# Allegro board RK_EVB1_RK3576_LP4XD200P132SD6_V12_20240530YWQ.brd (continued)
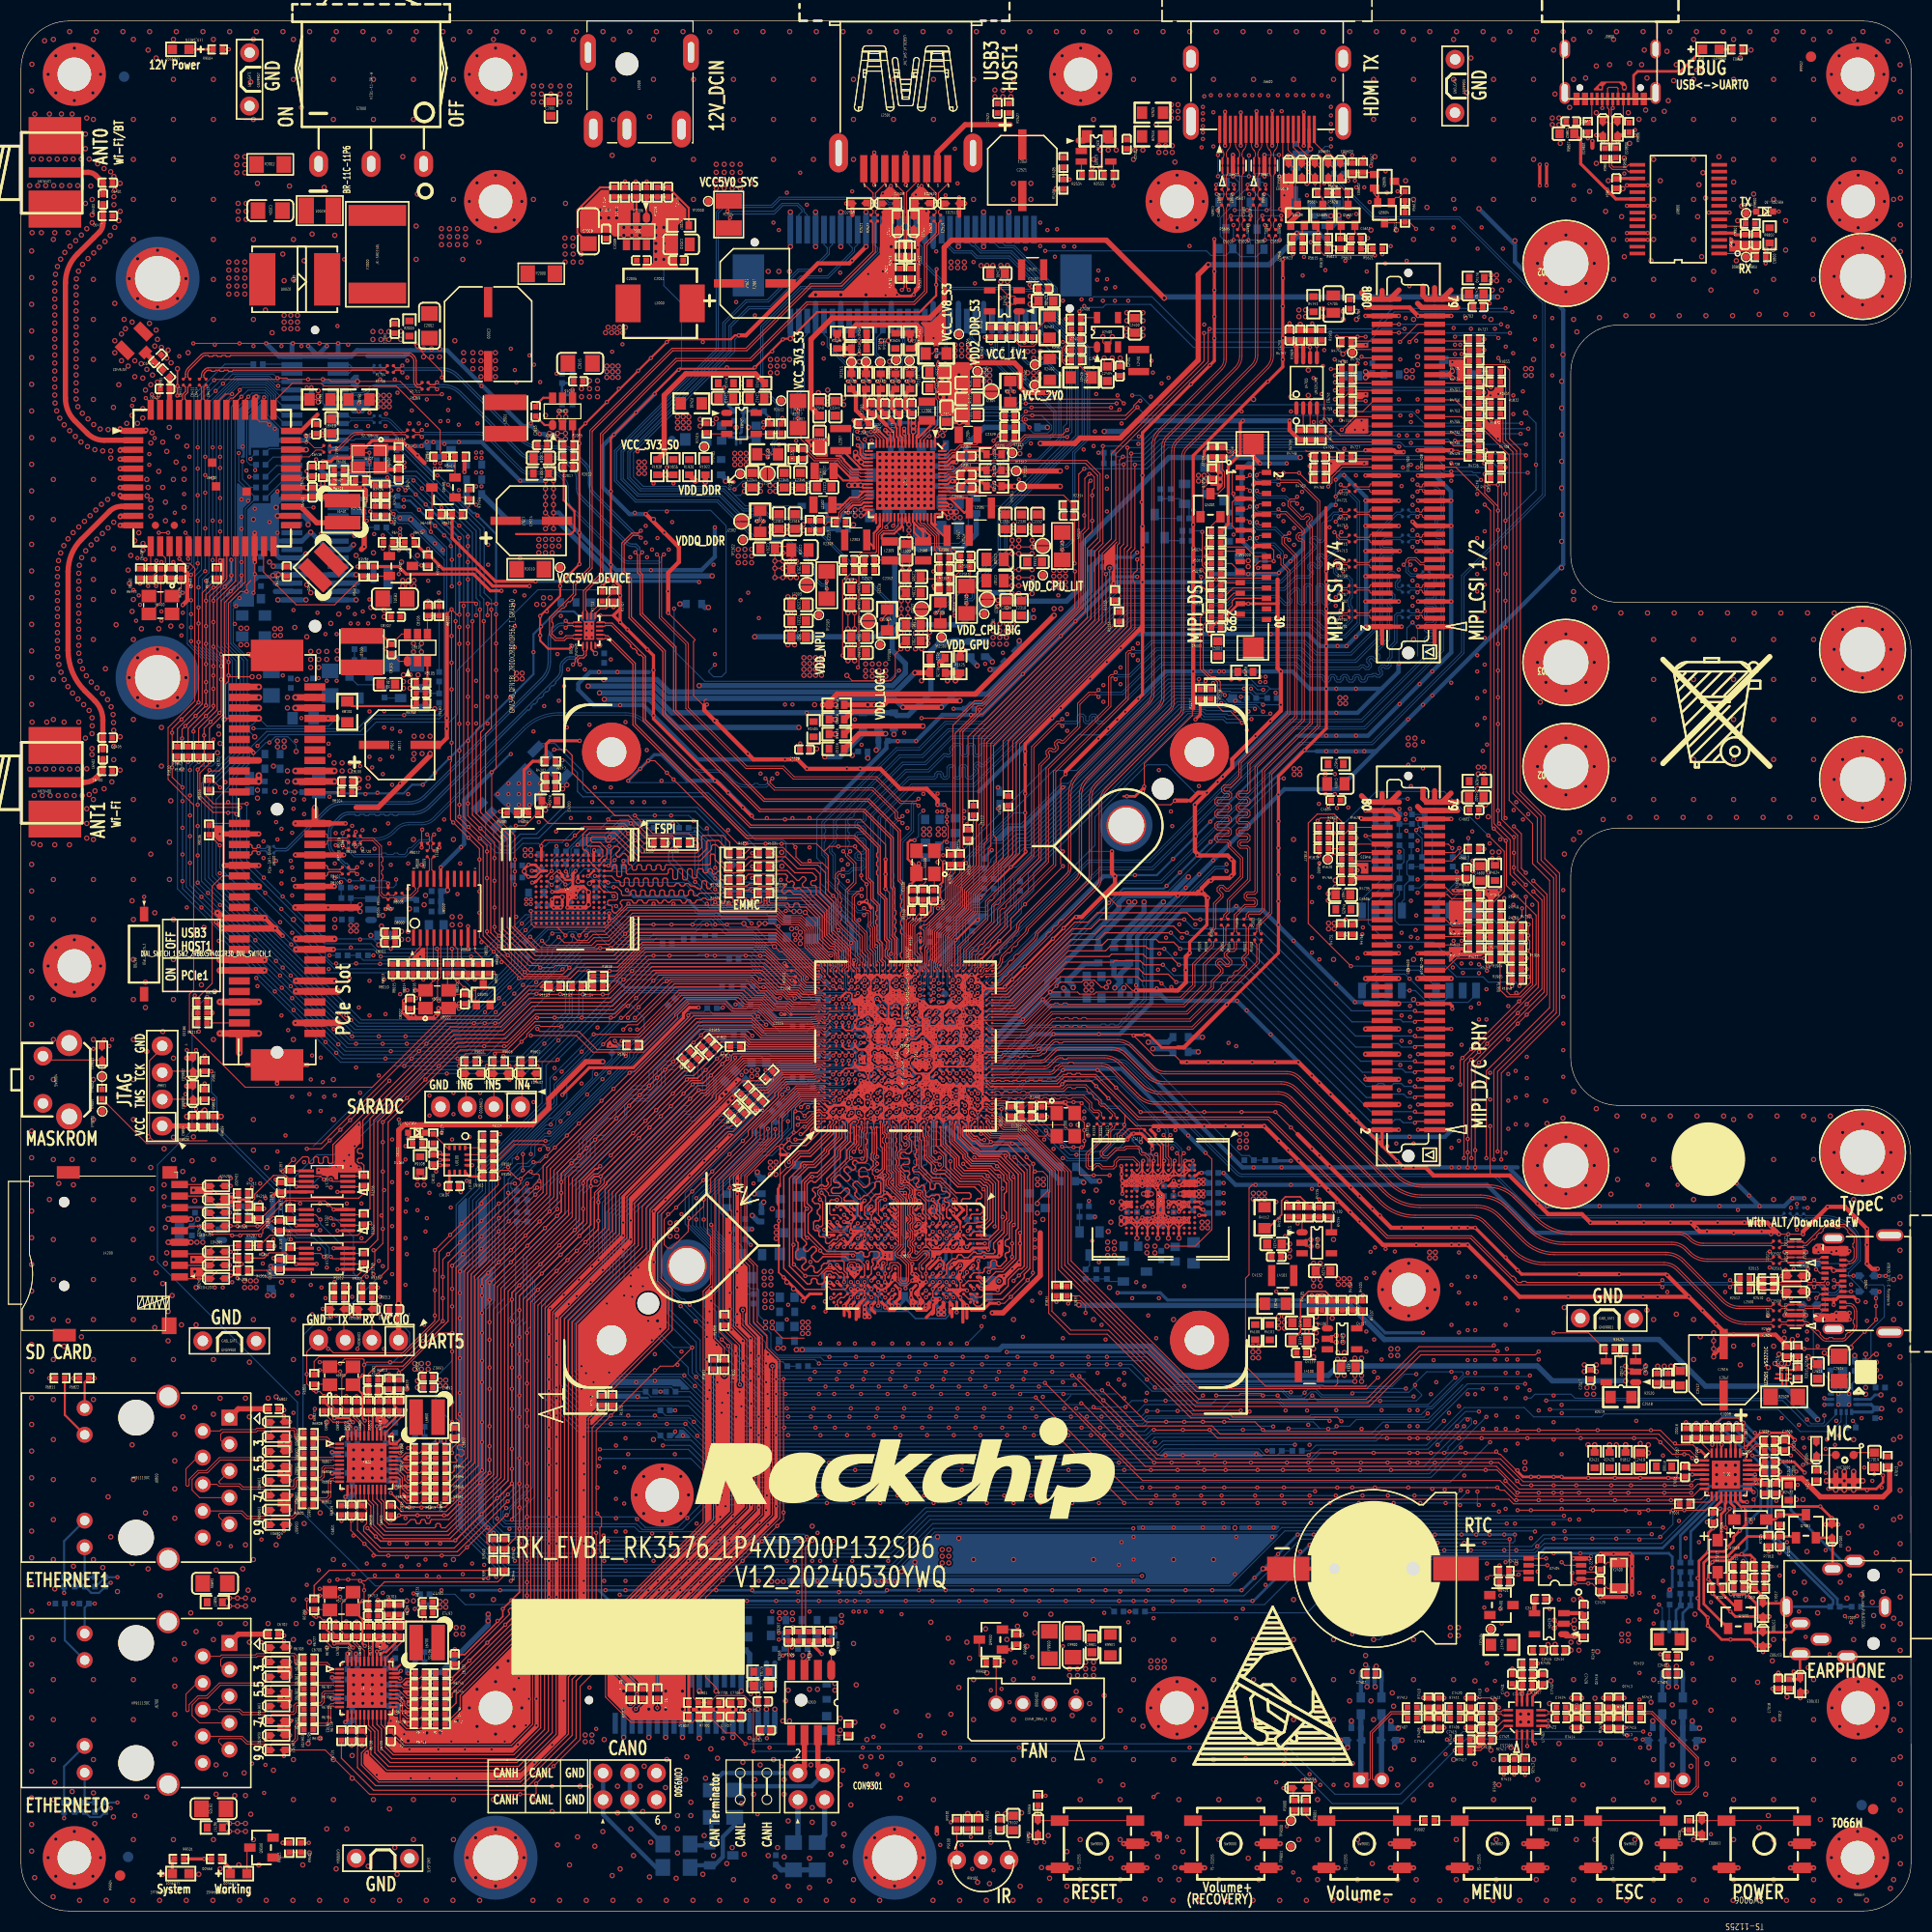
[diagram p0: board, top side]
## Placement (name value [footprint] x y rotation side) (continued)
C1404  100nF  [C0402]  91.73 79.85 270 bottom
C1405  100nF  [C0201]  88.84 82.32 90 bottom
C1406  100nF  [C0201]  89.55 80.68 0 bottom
C1407  NC/1uF  [C0402]  105.16 88.56 0 bottom
C1408  100nF  [C0201]  89.71 82.68 0 bottom
C1409  100nF  [C0201]  91.58 85.19 90 bottom
C1500  100nF  [C0201]  87.72 86.02 0 bottom
C1501  1uF  [C0402]  93.17 106.01 90 bottom
C1502  1uF  [C0201]  88.06 86.64 0 bottom
C1503  1uF  [C0201]  88.23 82.34 270 bottom
C1504  1uF  [C0201]  87.2 83.31 180 bottom
C1505  1uF  [C0402]  99.23 87.33 180 bottom
C1506  1uF  [C0201]  87.88 84.07 0 bottom
C1507  100nF  [C0201]  81.31 85.6 180 bottom
C1508  1uF  [C0402]  74.63 110.61 180 top
C1509  1uF  [C0201]  89.71 83.34 0 bottom
C1510  1uF  [C0201]  81.31 86.22 180 bottom
C1600  1uF  [C0201]  87.85 85.34 180 bottom
C1601  4.7uF  [C0402_BGA]  89.42 86.11 0 bottom
C1602  1uF  [C0201]  87.88 84.68 180 bottom
C1603  4.7uF  [C0402_BGA]  89.25 84.43 0 bottom
C1700  1uF  [C0201]  82.79 85.8 90 bottom
C1701  100nF  [C0201]  83.58 86.85 90 bottom
C1702  4.7uF  [C0402]  80.18 110.43 180 bottom
C1703  1uF  [C0201]  82.95 86.9 90 bottom
C1704  4.7uF  [C0402]  82.11 111.45 0 bottom
C1705  100nF  [C0402]  55.54 119.32 270 bottom
C1706  10uF  [C0603]  54.27 123.92 270 bottom
C1800  100nF  [C0201]  80.6 79.47 0 bottom
C1801  100nF  [C0201]  80.24 85.47 135 bottom
C1802  100nF  [C0201]  88.45 80.14 180 bottom
C1900  NC/100nF  [C0201]  79.4 82.37 180 bottom
C1901  1uF  [C0201]  80.64 82.68 0 bottom
C1902  NC/100nF  [C0201]  79.81 81.76 180 bottom
C1903  1uF  [C0201]  79.42 80.55 180 bottom
C2000  100uF  [E_E7]  44.49 150.18 270 top
C2001  100nF  [C0603]  50.46 171.65 90 top
C2002  10uF  [C1206]  38.9 150.97 270 top
C2003  100nF  [C0402]  35.6 150.72 270 top
C2004  2.2uF  [C1206]  23.74 161.94 180 top
C2005  100nF  [C0402]  59.1 157.2 180 top
C2006  100pF  [C0402]  61.64 163.7 270 top
C2007  120uF  [E_C6]  69.89 155.01 270 top
C2008  10uF  [C1206]  54.03 159.97 90 top
C2009  100nF  [C0402]  55.71 159.71 90 top
C2010  22uF  [C0805]  62.87 158.73 180 top
C2011  100nF  [C0402]  62.62 157.2 180 top
C2012  100nF  [C0402]  58.56 163.7 90 top
C2013  100nF  [C0402]  49.02 142.82 270 top
C2014  120uF  [E_C6]  48.61 132.41 270 top
C2015  10uF  [C1206]  53.25 147.39 0 top
C2016  100nF  [C0402]  53.08 145.68 0 top
C2017  100pF  [C0402]  52.14 137.54 0 top
C2018  22uF  [C0603]  49.52 138.39 0 top
C2019  100nF  [C0402]  49.65 139.61 0 top
C2020  NC/100nF  [C0402]  52.53 143.94 270 bottom
C2300  10uF  [C0603]  84.3 129.49 270 top
C2301  22uF  [C0805]  88.48 131.74 180 bottom
C2302  NC/22uF  [C0603]  84.98 122.5 180 top
C2303  NC/22uF  [C0603]  84.98 120.97 180 top
C2304  NC22uF  [C0603]  84.98 125.55 180 top
C2305  NC/22uF  [C0603]  84.98 127.07 180 top
C2306  NC/1uF  [C0402]  87.93 127.83 0 top
C2307  47uF  [C0805]  92.77 126.69 0 top
C2308  47uF  [C0805]  92.77 128.72 0 top
C2309  NC/22uF  [C0603]  93.86 124.08 90 top
C2310  NC/22uF  [C0603]  95.29 124.08 90 top
C2311  1uF  [C0402]  89.93 129.05 180 top
C2312  10uF  [C0603]  76.49 135.6 180 top
C2313  22uF  [C0805]  81.68 132.91 0 bottom
C2314  NC/10uF  [C0603]  71.11 129.74 0 top
C2315  22uF  [C0603]  72.17 132.33 270 top
C2316  22uF  [C0603]  73.72 132.33 270 top
C2317  100pF  [C0402]  76.09 131.96 270 top
C2318  NC/47uF  [C0805]  74.19 129.61 180 top
C2319  NC/22uF  [C0603]  74.06 127.78 180 top
C2320  NC/22uF  [C0603]  74.06 124.4 180 top
C2321  NC/22uF  [C0603]  74.06 122.88 180 top
C2322  NC/22uF  [C0603]  74.06 121.35 180 top
C2323  NC/1uF  [C0402]  78.86 128.66 0 top
C2324  10uF  [C0603]  88.15 142.51 90 top
C2325  22uF  [C0805]  88.49 134.18 180 bottom
C2326  NC/10uF  [C0603]  90.33 145.53 180 top
C2327  22uF  [C0603]  90.33 142.48 180 top
C2328  22uF  [C0603]  90.33 144.01 180 top
C2329  100pF  [C0402]  94.16 142.38 0 top
C2330  22uF  [C0603]  95.29 132.3 270 top
C2331  22uF  [C0603]  93.76 132.3 270 top
C2332  22uF  [C0603]  96.81 132.3 270 top
C2333  NC/22uF  [C0603]  96.53 128.49 180 top
C2334  1uF  [C0402]  99.79 132.89 0 top
C2335  10uF  [C0603]  85.74 140.15 270 bottom
C2336  22uF  [C0805]  80.15 136.75 0 bottom
C2337  22uF  [C0603]  87.21 146.58 0 top
C2338  22uF  [C0603]  87.21 145.05 0 top
C2339  22uF  [C0603]  76.04 140.12 270 top
C2340  22uF  [C0603]  76.04 143.11 90 top
C2341  22uF  [C0603]  77.57 143.11 90 top
C2342  10uF  [C0603]  80.18 134.92 0 bottom
C2343  22uF  [C0805]  85.58 132.12 90 bottom
C2344  NC/10uF  [C0603]  69.66 136.26 270 top
C2345  22uF  [C0603]  72.68 136.26 270 top
C2346  22uF  [C0603]  74.23 136.26 270 top
C2347  22uF  [C0603]  79.78 125.93 180 top
C2348  22uF  [C0603]  79.78 124.4 180 top
C2349  NC/22uF  [C0603]  79.78 121.35 180 top
C2350  NC/22uF  [C0603]  79.78 119.83 180 top
C2351  1uF  [C0402]  74.46 138.76 90 top
C2352  1uF  [C0402]  80.81 128.66 180 top
C2353  2.2uF  [C0402]  90.04 136.76 0 top
C2354  1uF  [C0402]  87.72 136.66 180 bottom
C2355  2.2uF  [C0402]  87.72 135.71 180 bottom
C2356  2.2uF  [C0402]  90.04 135.57 0 top
C2357  1uF  [C0402]  80.66 139.54 0 bottom
C2358  2.2uF  [C0402]  87.72 137.61 180 bottom
C2359  1uF  [C0402]  87.72 138.56 180 bottom
C2360  2.2uF  [C0402]  90.04 138.56 0 top
C2361  4.7uF  [C0402]  78.31 133.82 180 bottom
C2362  1uF  [C0402]  80.68 138.58 0 bottom
C2363  2.2uF  [C0402]  80.27 141.65 180 top
C2364  1uF  [C0402]  82.84 139.74 270 bottom
C2365  2.2uF  [C0402]  81.01 143.08 90 top
C2366  10nF  [C0402]  83.93 132.84 90 bottom
C2367  2.2uF  [C0402]  82.28 143.08 90 top
C2368  1nF  [C0402]  78.31 132.52 0 bottom
C2369  100nF  [C0402]  87.55 141.75 0 bottom
C2370  2.2uF  [C0402]  83.55 143.08 90 top
C2371  1uF  [C0402]  83.86 139.74 270 bottom
C2372  2.2uF  [C0402]  84.82 143.08 90 top
C2400  10uF  [C0603]  106.09 151 270 top
C2401  4.7uF  [C0603]  93 155.96 0 top
C2402  100pF  [C0402]  94.32 150.35 90 top
C2403  100pF  [C0402]  100.48 149.69 0 top
C2404  22uF  [C0603]  103.47 146.41 90 top
C2405  100nF  [C0402]  104.64 146.66 90 top
C2406  22uF  [C0603]  97.6 153.33 180 top
C2407  100nF  [C0402]  97.35 154.5 180 top
C2408  NC/100nF  [C0402]  100.48 148.69 180 top
C2409  NC/100nF  [C0402]  95.32 150.35 270 top
C2410  10uF  [C0603]  70.02 140.74 90 bottom
C2411  10uF  [C0603]  66.73 140.74 90 bottom
C2412  10uF  [C0603]  70.09 144.09 180 top
C2413  10uF  [C0603]  67.12 144.09 0 top
C2414  1uF  [C0402]  146.55 24.84 180 top
C2415  4.7uF  [C0402]  144.44 24.84 0 top
C2416  NC/100nF  [C0402]  148.82 28.65 90 top
C2417  NC/100nF  [C0402]  144.7 29.7 0 top
C2418  100nF  [C0402]  157.28 24.25 180 top
C2419  10uF  [C0603]  154.23 42.94 90 top
C2420  12pF  [C0402]  150.41 30.96 90 top
C2421  100nF  [C0402]  141.26 31.38 180 top
C2422  NC/12pF  [C0402]  150.41 32.97 270 top
C2423  10uF  [C0603]  40.95 138.44 90 bottom
C2500  100nF  [C0201]  168.2 65.8 0 bottom
C2501  100nF  [C0201]  168.2 66.44 0 bottom
C2502  100nF  [C0402]  177.08 49.86 0 bottom
C2503  10uF  [C0603]  173.49 52.11 90 bottom
C2504  100nF  [C0402]  172.32 51.93 90 bottom
C2505  1uF  [C0402]  176.6 47.39 270 bottom
C2506  220pF  [C0402]  175.62 51.93 90 bottom
C2507  220pF  [C0402]  171.35 51.93 90 bottom
C2508  100nF  [C0201]  167.19 57.8 0 top
C2509  100nF  [C0201]  167.19 57.16 0 top
C2510  100nF  [C0201]  167.19 63.8 0 top
C2511  100nF  [C0201]  167.19 63.16 0 top
C2512  10uF  [C0603]  158.03 50.74 90 top
C2513  100nF  [C0603]  171.11 51.38 90 top
C2514  10uF  [C1206]  173.14 51.63 90 top
C2515  22pF  [C0402]  168.19 53.28 90 top
C2516  120uF  [E_C6]  162.16 51.54 0 top
C2517  1uF  [C0402]  149.46 51.09 90 top
C2518  100nF  [C0402]  155.81 50.74 90 top
C2519  100nF  [C0201]  86.95 161.23 90 top
C2520  100nF  [C0201]  87.58 161.23 90 top
C2521  120uF  [E_C6]  95.37 165.78 180 top
C2522  1uF  [C0402]  105.3 168.27 270 top
C2523  100nF  [C0402]  93 171.69 90 top
C3800  NC/1nF  [C0201]  81.74 58.32 90 bottom
C3801  22uF  [C0603]  91.44 58.44 0 bottom
C3802  10uF  [C0603]  79.19 62.3 0 bottom
C3803  10uF  [C0603]  73.37 64.59 180 bottom
C3804  1uF  [C0402]  90.55 65.86 0 bottom
C3805  1uF  [C0402]  78.05 64.95 0 bottom
C3806  100nF  [C0201]  87.54 65.16 180 bottom
C3807  100nF  [C0201]  78.65 67 270 bottom
C3808  100nF  [C0201]  79.02 61.04 0 bottom
C3809  100nF  [C0201]  77.18 61.87 180 bottom
C3810  100nF  [C0201]  79.99 64.81 90 bottom
C3811  100nF  [C0201]  91 61 0 bottom
C3812  100nF  [C0201]  78.15 60.32 0 bottom
C3813  100nF  [C0201]  91 62.91 0 bottom
C3814  100nF  [C0201]  86.89 58.77 180 bottom
C3815  100nF  [C0201]  81.66 59.5 0 bottom
C3816  100nF  [C0201]  88.36 62.73 180 bottom
C3817  100nF  [C0201]  91 64.79 0 bottom
C3818  100nF  [C0201]  79.59 58.03 0 bottom
C3819  100nF  [C0201]  77.2 62.89 180 bottom
C3820  10uF  [C0603]  72.97 58.45 0 bottom
C3821  22uF  [C0603]  82.24 62.36 0 bottom
C3822  10uF  [C0603]  84.04 59.25 90 bottom
C3823  10uF  [C0603]  92.45 60.78 90 bottom
C3824  1uF  [C0402]  86.79 62.67 180 bottom
C3825  1uF  [C0402]  76.48 60.04 270 bottom
C3826  100nF  [C0201]  87.26 67 90 bottom
C3827  100nF  [C0201]  85.62 57.99 180 bottom
C3828  100nF  [C0201]  82.62 67.05 270 bottom
C3829  100nF  [C0201]  82.83 58.01 0 bottom
C3830  100nF  [C0201]  82.81 65.86 180 bottom
C3831  100nF  [C0201]  76.23 64.61 135 bottom
C3832  100nF  [C0201]  92.27 64.03 270 bottom
C3833  100nF  [C0201]  85.94 64.97 270 bottom
C3834  100nF  [C0201]  81.65 63.63 0 bottom
C3835  100nF  [C0201]  80.38 61.4 180 bottom
C3836  10uF  [C0603]  72.97 55.66 180 bottom
C3837  100nF  [C0201]  87.91 61.32 90 bottom
C3838  100nF  [C0201]  86.91 63.67 180 bottom
C3839  100nF  [C0201]  86.89 57.9 180 bottom
C3840  100nF  [C0201]  81.66 60.29 0 bottom
C3841  100nF  [C0201]  88.12 67.57 0 bottom
C3842  100nF  [C0201]  82.2 64.39 0 bottom
C3843  100nF  [C0201]  81 57.26 0 bottom
C3844  100nF  [C0201]  80.58 66.77 270 bottom
C3845  1nF  [C0402]  68.52 64.94 0 bottom
C4000  100nF  [C0402]  47.29 99.58 180 bottom
C4001  100nF  [C0402]  54.71 97.02 270 bottom
C4002  4.7uF  [C0402]  47.29 98.44 180 bottom
C4003  NC/10pF  [C0402]  51.12 97.86 270 bottom
C4004  100nF  [C0402]  53.42 97.02 270 bottom
C4005  100nF  [C0402]  52.28 96.58 270 bottom
C4006  4.7uF  [C0402]  49.69 95.76 180 bottom
C4007  2.2uF  [C0402]  55.58 100.9 0 bottom
C4100  100nF  [C0402]  109.3 69.03 180 bottom
C4101  100nF  [C0402]  110.66 70.26 90 bottom
C4102  1uF  [C0402]  113.58 69.33 0 bottom
C4103  4.7uF  [C0402]  111.6 70.26 90 bottom
C4104  100nF  [C0402]  113.58 68.38 0 bottom
C4105  100nF  [C0402]  106.19 69.31 90 bottom
C4106  100nF  [C0402]  111.64 67.2 270 bottom
C4107  1uF  [C0402]  107.38 69.31 90 bottom
C4108  4.7uF  [C0402]  109.3 68.09 180 bottom
C4109  NC  [C0201]  107.48 71.78 270 bottom
C4110  1nF  [C0201]  107.3 74.4 0 top
C4111  100nF  [C0402]  107.29 66.11 270 bottom
C4112  100nF  [C0402]  109.77 66.11 270 bottom
C4113  100nF  [C0402]  106.29 66.11 270 bottom
C4114  1uF  [C0402]  105.34 66.11 270 bottom
C4115  10uF  [C0603]  108.55 66.12 270 bottom
C4116  4.7uF  [C0603]  126.41 51.81 180 top
C4117  100pF  [C0402]  126.82 57.68 270 top
C4118  10uF  [C0603]  121.79 54.38 0 top
C4119  100nF  [C0402]  121.94 53.16 0 top
C4120  10uF  [C0603]  121.79 56.03 0 top
C4121  2.2uF  [C0402]  113.58 66.48 0 bottom
C4122  2.2uF  [C0402]  113.58 70.29 0 bottom
C4123  2.2uF  [C0402]  113.58 67.43 0 bottom
C4124  10uF  [C0603]  105.7 63.32 0 bottom
C4125  100nF  [C0402]  103.42 60.65 270 bottom
C4126  10uF  [C0603]  109.92 62.56 90 bottom
C4127  100nF  [C0402]  108.6 62.43 90 bottom
C4128  NC/100nF  [C0402]  101.26 66.11 0 bottom
C4129  4.7uF  [C0603]  124 60.95 180 top
C4130  100pF  [C0402]  123.62 66.57 270 top
C4131  10uF  [C0603]  119.37 63.52 0 top
C4132  100nF  [C0402]  119.56 62.31 0 top
C4200  1uF  [C0402]  21.12 62.23 180 bottom
C4201  1uF  [C0402]  17.26 64.71 90 bottom
C4203  10uF  [C0603]  15.07 64.78 90 bottom
C4204  100nF  [C0402]  16.28 64.78 90 bottom
C4300  100nF  [C0402]  50.46 107.03 180 top
C4301  1uF  [C0402]  50.46 108.02 180 top
C4600  4.7uF  [C0603]  138.96 98.81 90 top
C4601  100nF  [C0402]  137.69 98.85 90 top
C4602  10uF  [C0603]  138.59 106.09 0 top
C4603  100nF  [C0402]  138.39 104.84 0 top
C4604  100nF  [C0402]  125.22 105.78 180 top
C4605  10uF  [C0805]  125.22 107.35 180 top
C4606  100nF  [C0402]  126.23 98.12 180 top
C4607  4.7uF  [C0603]  125.9 96.79 180 top
C4700  4.7uF  [C0603]  135.5 147.02 90 bottom
C4701  100nF  [C0402]  136.95 147.07 90 bottom
C4702  10uF  [C0603]  138.59 154 0 top
C4703  100nF  [C0402]  138.77 152.75 0 top
C4704  100nF  [C0402]  126.56 153.04 270 top
C4705  10uF  [C0805]  124.99 153.04 270 top
C4706  100nF  [C0402]  128.69 146.95 90 bottom
C4707  4.7uF  [C0603]  126.65 146.2 180 bottom
C4708  NC  [C0402]  140.42 138.51 0 top
C4709  NC  [C0402]  123.69 138.48 180 top
C4710  100nF  [C0402]  120.82 150.08 90 top
C5000  100nF  [C0402]  113.81 122.23 180 top
C5001  4.7uF  [C0603]  113.97 120.23 270 top
C5002  10uF  [C0603]  113.41 137.5 0 bottom
C5003  4.7uF  [C0603]  115.23 134.31 0 bottom
C5004  100nF  [C0402]  115.49 133.18 0 bottom
C5005  100nF  [C0402]  118.03 128.61 0 bottom
C5006  4.7uF  [C0603]  116.03 128.21 270 bottom
C5007  100nF  [C0402]  109.49 134.96 270 bottom
C5600  220nF  [C0201]  117.36 162.77 90 top
C5601  220nF  [C0201]  117.99 162.77 90 top
C5602  220nF  [C0201]  115.86 159.85 90 top
C5603  220nF  [C0201]  116.49 159.85 90 top
C5604  220nF  [C0201]  114.36 162.77 90 top
C5605  220nF  [C0201]  114.99 162.77 90 top
C5606  220nF  [C0201]  118.86 159.85 90 top
C5607  220nF  [C0201]  119.49 159.85 90 top
C5608  1uF  [C0402]  125.02 165.92 90 bottom
C5609  1uF  [C0402]  125.99 165.92 90 bottom
C5610  1uF  [C0402]  121.38 167.85 90 bottom
C5611  NC/100pF  [C0402]  127.17 159.32 0 top
C6400  NC  [C0402]  8.25 108.57 180 top
C6401  NC  [C0402]  8.26 164.61 0 top
C6402  10pF  [C0402]  7.8 110.17 90 top
C6403  10pF  [C0402]  7.81 163.03 270 top
C6404  NC  [C0402]  13.04 147.87 45 top
C6405  NC  [C0402]  8.25 111.75 180 top
C6406  NC/10pF  [C0402]  13.83 146.44 315 top
C6407  NC  [C0402]  13.7 144.96 180 top
C6408  12pF  [C0402]  13.32 127.38 90 top
C6409  12pF  [C0402]  15.25 127.38 90 top
C6410  NC  [C0402]  8.26 161.43 0 top
C6411  100nF  [C0201]  15.46 145.61 90 top
C6412  100nF  [C0201]  16.1 145.61 90 top
C6413  100nF  [C0201]  16.98 145.61 90 top
C6414  100nF  [C0201]  17.62 145.61 90 top
C6415  4.7uF  [C0402]  25.31 127.58 270 top
C6416  100pF  [C0201]  29.12 139.57 0 top
C6417  100pF  [C0201]  29.12 138.93 0 top
C6418  100nF  [C0402]  28.11 141.15 270 top
C6419  22uF  [C0603]  29.57 141.41 270 top
C6420  4.7uF  [C0402]  27.76 135.12 90 top
C6421  NC  [C0402]  27.71 137.1 90 top
C6422  100nF  [C0402]  38.77 138.95 90 bottom
C6423  4.7uF  [C0402]  39.79 138.95 90 bottom
C6424  100nF  [C0402]  35.98 136.83 270 top
C6500  100nF  [C0201]  33.91 147.19 180 bottom
C6501  100nF  [C0201]  33.91 146.55 180 bottom
C6502  100nF  [C0402]  22.4 127.83 180 bottom
C6503  4.7uF  [C0402]  22.4 128.98 180 bottom
C6504  4.7uF  [C0603]  34.97 127.07 90 bottom
C6505  100nF  [C0402]  33.57 127.2 90 bottom
C6506  100nF  [C0402]  22.4 126.18 180 bottom
C6507  22uF  [C0603]  22.15 124.98 180 bottom
C6700  NC/18pF  [C0402]  29.99 26.61 90 top
C6701  NC/18pF  [C0402]  31.96 26.61 90 top
C6702  10nF  [C0402]  24.04 26.36 0 top
C6703  NC  [C0402]  33.55 28.13 0 top
C6704  NC/100pF  [C0402]  34.08 26.62 90 top
C6705  1000pF  [C1206]  18.35 9.74 0 top
C6706  4.7uF  [C0402]  37.99 21.74 0 bottom
C6707  1uF  [C0402]  35.47 21.54 180 bottom
C6708  100nF  [C0402]  35.47 20.54 180 bottom
C6709  4.7uF  [C0402]  35.19 25.05 180 bottom
C6710  100nF  [C0402]  31.09 23.47 270 bottom
C6711  100nF  [C0402]  31.54 18.61 90 bottom
C6712  4.7uF  [C0402]  38.78 29.41 180 top
C6713  100nF  [C0402]  38.78 28.39 180 top
C6714  100nF  [C0402]  35.47 19.53 180 bottom
C6715  100nF  [C0402]  32.02 23.47 270 bottom
C6716  100nF  [C0402]  30.65 22.05 0 bottom
C6717  100nF  [C0402]  30.65 20.26 0 bottom
C6718  4.7uF  [C0402]  35.19 23.08 180 bottom
C6719  100nF  [C0402]  35.19 24.08 180 bottom
C6720  NC/3.0pF  [C0402]  35.23 16.69 270 top
C6721  100nF  [C0402]  31.5 16.7 270 top
C6722  NC  [C0402]  41.32 23.97 90 top
C6800  NC/18pF  [C0402]  29.99 48.07 90 top
C6801  NC/18pF  [C0402]  31.96 48.07 90 top
C6802  10nF  [C0402]  24.04 47.82 0 top
C6803  NC  [C0402]  33.55 49.59 0 top
C6804  NC/100pF  [C0402]  34.08 48.08 90 top
C6805  1000pF  [C1206]  18.48 31.2 0 top
C6806  4.7uF  [C0402]  37.99 43.21 0 bottom
C6807  1uF  [C0402]  35.47 43 180 bottom
C6808  100nF  [C0402]  35.47 42 180 bottom
C6809  4.7uF  [C0402]  35.19 44.54 180 bottom
C6810  100nF  [C0402]  31.54 40.08 90 bottom
C6811  100nF  [C0402]  31.09 44.93 270 bottom
C6812  4.7uF  [C0402]  38.78 50.87 180 top
C6813  100nF  [C0402]  38.78 49.86 180 top
C6814  100nF  [C0402]  35.47 40.99 180 bottom
C6815  100nF  [C0402]  30.65 43.51 0 bottom
C6816  100nF  [C0402]  30.65 41.72 0 bottom
C6817  100nF  [C0402]  32.02 44.93 270 bottom
C6818  4.7uF  [C0402]  35.19 46.51 180 bottom
C6819  100nF  [C0402]  35.19 45.54 180 bottom
C6820  NC/3.0pF  [C0402]  35.23 38.15 270 top
C6821  100nF  [C0402]  31.5 38.17 270 top
C6822  NC  [C0402]  41.32 45.56 90 top
C7000  4.7uF  [C0402]  167.09 40.23 270 top
C7001  100nF  [C0402]  166.09 40.23 270 top
C7002  1uF  [C0402]  162.52 45.51 90 top
C7003  100nF  [C0402]  158.47 41.83 270 top
C7004  1uF  [C0402]  163.53 45.51 90 top
C7005  1uF  [C0402]  166.51 44.82 0 top
C7006  1uF  [C0402]  166.51 43.85 0 top
C7007  NC  [C0402]  159.55 45.51 90 top
C7008  NC  [C0402]  161.52 45.51 90 top
C7009  4.7uF  [C0402]  161.15 37.48 270 top
C7010  4.7uF  [C0402]  166.51 41.82 0 top
C7011  4.7uF  [C0402]  166.51 42.78 0 top
C7012  47uF  [E-A]  161.58 33.79 90 top
C7013  47uF  [E-A]  164.7 37.28 180 top
C7014  NC/100pF  [C0402]  172.76 28.98 0 bottom
C7015  1uF  [C0402]  163.57 31.82 0 top
C7016  100nF  [C0402]  167.49 35.22 270 top
C7017  NC/100nF  [C0402]  165.59 31.75 180 top
C7018  100nF  [C0402]  167.37 21.62 90 top
C7019  10uF  [C0603]  176.51 42.96 270 top
C7020  100pF  [C0402]  167.99 44.34 270 top
C7400  10nF  [C0402]  129.33 32.73 270 bottom
C7401  1uF  [C0402]  128.31 29.63 270 bottom
C7402  10uF  [C0402]  128.58 22.62 180 top
C7403  100pF  [C0402]  129.83 29.09 0 bottom
C7404  10nF  [C0402]  130.32 32.73 270 bottom
C7405  680pF  [C0402]  130.02 17.41 0 bottom
C7406  680pF  [C0402]  127.15 17.41 180 bottom
C7407  10nF  [C0402]  158.03 32.73 270 bottom
C7408  1uF  [C0402]  157.01 29.63 270 bottom
C7409  10uF  [C0402]  157.28 22.62 180 top
C7410  100pF  [C0402]  158.53 29.09 0 bottom
C7411  10nF  [C0402]  159.02 32.73 270 bottom
C7412  680pF  [C0402]  158.72 17.41 0 bottom
C7413  680pF  [C0402]  155.85 17.41 180 bottom
C7414  1uF  [C0402]  143.47 21.51 0 top
C7415  2.2nF  [C0402]  138.08 17.91 270 top
C7416  10nF  [C0402]  135.04 17.91 270 top
C7417  1uF  [C0402]  143.47 22.57 0 top
C7418  100nF  [C0402]  142.21 14 270 top
C7419  2.2nF  [C0402]  138.08 19.84 270 top
C7420  10nF  [C0402]  135.04 19.84 270 top
C7421  1uF  [C0402]  139.58 18.36 180 top
C7422  1uF  [C0402]  139.58 19.39 180 top
C7423  1uF  [C0402]  146.67 18.36 0 top
C7424  1uF  [C0402]  146.67 19.39 0 top
C7425  2.2nF  [C0402]  148.16 17.91 270 top
C7426  10nF  [C0402]  151.21 17.91 270 top
C7427  NC  [C0402]  139.58 16.31 180 top
C7428  NC  [C0402]  139.58 17.34 180 top
C7429  2.2nF  [C0402]  148.16 19.84 270 top
C7430  10nF  [C0402]  151.21 19.84 270 top
C7431  1uF  [C0402]  142.02 22.09 90 top
C7432  1uF  [C0402]  144.95 22.09 90 top
C7700  10uF  [C0603]  72.13 26.24 0 bottom
C7701  100nF  [C0402]  72.26 24.97 0 bottom
C7702  NC/10uF  [C0603]  70.51 21.42 180 top
C7703  10uF  [C0603]  68.57 26.11 180 bottom
C7704  100nF  [C0402]  68.57 24.84 180 bottom
C7705  NC/100nF  [C0402]  70.64 19.97 180 top
C7706  NC  [C0402]  68.08 19.85 180 top
C7707  NC  [C0402]  68.08 18.51 180 top
C8000  1uF  [C0402]  35.19 93.2 180 top
C8001  100nF  [C0402]  35.19 92.24 180 top
C8002  18pF  [C0402]  37.07 86.37 90 top
C8003  18pF  [C0402]  42.28 86.85 270 top
C8004  1uF  [C0402]  31.01 94.43 180 bottom
C8005  10uF  [C0603]  34.73 92.91 180 bottom
C8006  10uF  [C0603]  39.55 93.92 0 bottom
C8007  1uF  [C0402]  39.55 96.15 180 bottom
C8008  100nF  [C0402]  39.55 97.13 180 bottom
C8009  NC  [C0402]  37.65 95.83 270 bottom
C8100  100nF  [C0402]  31.1 107.58 0 top
C8101  10uF  [C1206]  35.62 124.98 180 top
C8102  100nF  [C0402]  35.68 123.27 180 top
C8103  100nF  [C0402]  35.28 120.19 90 top
C8104  22pF  [C0402]  38.08 115.99 0 top
C8105  10uF  [C0603]  34.93 116.84 0 top
C8106  100nF  [C0402]  38.77 123.82 90 top
C8107  100nF  [C0201]  23.78 101.4 180 bottom
C8108  100nF  [C0201]  23.78 100.76 180 bottom
C8109  10uF  [C1206]  36.54 118.83 0 bottom
C8110  100nF  [C0402]  32.21 119.13 180 bottom
C8111  120uF  [E_C6]  36.09 111.06 270 top
C8112  10uF  [C1206]  29.44 116.94 90 bottom
C8113  100nF  [C0402]  27.8 116.94 90 bottom
C8114  22uF  [C0805]  28.36 107.26 270 bottom
C8115  100nF  [C0402]  26.78 107.01 270 bottom
C8116  100nF  [C0402]  23.22 107.13 270 bottom
C8117  10uF  [C1206]  23.85 116.94 90 bottom
C8118  100nF  [C0402]  25.69 116.94 90 bottom
C8119  10uF  [C0603]  21.76 107.39 270 bottom
C9100  1nF  [C0402]  90.57 93.8 90 bottom
C9101  100nF  [C0402]  93.23 8.26 90 top
C9102  10uF  [C0603]  94.51 8.38 90 top
C9103  100nF  [C0402]  44.49 69.96 0 top
C9104  100nF  [C0402]  41.25 69.03 0 top
C9105  100nF  [C0402]  39.28 71.58 270 top
C9300  4.7uF  [C0603]  76.73 17.85 270 bottom
C9301  100nF  [C0402]  74.45 24.96 180 bottom
C9302  4.7uF  [C0603]  75.08 26.24 180 bottom
C9303  100nF  [C0402]  70.93 17.22 180 top
C9305  220pF  [C0402]  71.89 4.86 90 bottom
C9307  NC/12pF  [C0402]  73.08 26.16 90 top
C9308  NC/12pF  [C0402]  76.98 26.16 90 top
C9309  100nF  [C0402]  35.51 57.3 180 top
C9800  1uF  [C0402]  165.25 159.19 270 top
C9801  100nF  [C0402]  164.19 159.19 270 top
C9802  10uF  [C0603]  147.23 169.27 180 top
C9803  100nF  [C0402]  147.61 170.43 180 top
C9804  100nF  [C0402]  151.93 164.51 270 top
C9805  100nF  [C0402]  16.38 75.22 90 top
C9900  10uF  [C1206]  100.19 25.34 270 top
C9901  100nF  [C0603]  101.99 25.34 270 top
CON4600  61082-08  [CNN80M_0R80_61082]  132.13 90 270 top
CON4700  61082-08  [CNN80M_0R80_61082]  132.13 137.92 270 top
CON5000  MIPI/LVDS_Panel_CON0  [CNN30_1R00_FP05SL_V]  117.37 130 270 top
CON6500  61082-061402LF  [CNN60M_0R80_61082]  28.01 136.07 270 bottom
CON7700  61082-041402LF_Audio  [CNN40_0R80_61082_AUDIO]  64.2 20.08 180 bottom
CON9300  -  [CNN6M_2R54_H_DIP]  58.04 11.94 0 top
CON9301  -  [CNN4M_2R54_H_DIP]  75.33 11.94 0 top
CON9304  -  [CN4M_2R54_V_DIP]  35.96 54.38 180 top
CON9600  NC/CN4M_2R54_V_DIP  [CN4M_2R54_V_DIP]  47.58 76.59 180 top
CON9700  PowerMeterage  [CNN60_0R80_B406]  84.88 155.77 0 bottom
CON9900  CN4M_2R54_V  [CN4M_2R54_V_P_DIP]  96.68 19.76 180 top
D2000  SS32  [DO_214AB]  26.07 155.39 0 top
D2300  PSUR1610DNV07  [ESD0603]  87.47 139.59 180 bottom
D2301  B5819WS  [SOD_323]  75.56 133.82 0 bottom
D2400  BAT54C  [SOT_23]  140.99 29.14 270 top
D5600  B5819W  [SOD_123]  121.38 164.44 90 bottom
D5601  B5819WS  [SOD_323]  124.12 162.63 0 bottom
D9100  RB520S-30  [SOD_523]  37.67 74.12 90 top
D9800  RB520S-30  [SOD_523]  166.06 161.85 90 top
ED2500  ESD5341N  [ESD0402]  170.32 61.68 180 bottom
ED2501  ESD5341N  [ESD0402]  170.32 57.77 180 bottom
ED2502  ESD5341N  [ESD0402]  175.79 60.48 0 bottom
ED2503  ESD5341N  [ESD0402]  175.79 58.98 0 bottom
ED2504  ESD5341N  [ESD0402]  168.92 58.98 180 top
ED2505  ESD73034D  [SON10_2R50X1R00X0R50]  169 56.75 90 top
ED2506  ESD5341N  [ESD0402]  168.92 60.48 180 top
ED2507  ESD73034D  [SON10_2R50X1R00X0R50]  169 62.75 90 top
ED2508  ESD5311X  [ESD0402]  82.72 162.63 0 top
ED2509  ESD5311X  [ESD0402]  79.8 162.63 180 top
ED2510  ESD5311X  [ESD0402]  85.8 162.63 180 top
ED2511  ESD5311X  [ESD0402]  88.72 162.63 0 top
ED2512  ESD5341N  [ESD0402]  83.48 160.81 90 top
ED2513  ESD5341N  [ESD0402]  85.02 160.81 90 top
ED2514  ESD56161D24  [DFN3_2R00X2R00X0R65]  175.68 51.33 0 top
ED4201  ESD5471X  [ESD0402]  18.69 69.05 0 top
ED4202  NC/ESD5341N  [ESD0402]  18.69 67.78 0 top
ED4203  NC/ESD5341N  [ESD0402]  18.69 66.51 0 top
ED4204  NC/ESD5341N  [ESD0402]  18.69 65.24 0 top
ED4205  NC/ESD5341N  [ESD0402]  18.69 62.78 0 top
ED4206  NC/ESD5341N  [ESD0402]  18.69 61.51 0 top
ED4207  NC/ESD5341N  [ESD0402]  18.69 60.24 0 top
ED5600  ESD73034D  [SON10_2R50X1R00X0R50]  115.42 166.23 0 top
ED5601  ESD73034D  [SON10_2R50X1R00X0R50]  118.42 166.23 0 top
ED5602  ESD5341N  [ESD0402]  125.66 165.77 270 top
ED5603  ESD5341N  [ESD0402]  124.51 165.76 270 top
ED5604  ESD5341N  [ESD0402]  123.24 165.77 270 top
ED5605  ESD5341N  [ESD0402]  120.74 165.77 270 top
ED5606  ESD5341N  [ESD0402]  121.98 165.77 270 top
ED6700  NC/ESD5341N  [ESD0402]  24.42 20.92 0 top
ED6701  NC/ESD5341N  [ESD0402]  24.42 19.53 0 top
ED6702  NC/ESD5341N  [ESD0402]  24.42 18.13 0 top
ED6703  NC/ESD5341N  [ESD0402]  24.42 16.73 0 top
ED6704  NC/ESD5341N  [ESD0402]  24.42 25.12 0 top
ED6705  NC/ESD5341N  [ESD0402]  24.42 23.72 0 top
ED6706  NC/ESD5341N  [ESD0402]  24.42 22.32 0 top
ED6707  NC/ESD5341N  [ESD0402]  24.42 15.34 0 top
ED6800  NC/ESD5341N  [ESD0402]  24.42 46.58 0 top
ED6801  NC/ESD5341N  [ESD0402]  24.42 45.18 0 top
ED6802  NC/ESD5341N  [ESD0402]  24.42 43.78 0 top
ED6803  NC/ESD5341N  [ESD0402]  24.42 42.39 0 top
ED6804  NC/ESD5341N  [ESD0402]  24.42 40.99 0 top
ED6805  NC/ESD5341N  [ESD0402]  24.42 36.8 0 top
ED6806  NC/ESD5341N  [ESD0402]  24.42 39.59 0 top
ED6807  NC/ESD5341N  [ESD0402]  24.42 38.2 0 top
ED7000  ESD5451N  [ESD0402]  165.9 28.66 270 top
ED7001  ESD5451N  [ESD0402]  172.46 36.19 90 top
ED7002  ESD5451N  [ESD0402]  165.9 25.9 270 top
ED7003  ESD5451N  [ESD0402]  169.46 21.5 270 top
ED7004  ESD5451N  [ESD0402]  170.98 44.01 90 top
ED7400  ESD5451N  [ESD0402]  130.2 16.26 0 bottom
ED7401  ESD5451N  [ESD0402]  126.97 16.26 180 bottom
ED7402  ESD5451N  [ESD0402]  158.9 16.26 0 bottom
ED7403  ESD5451N  [ESD0402]  155.67 16.26 180 bottom
ED9000  ESD5451N  [ESD0402]  121.79 11.72 0 top
ED9001  ESD5451N  [ESD0402]  7.71 81.68 90 top
ED9002  ESD5451N  [ESD0402]  96.85 7.97 270 top
ED9003  ESD5451N  [ESD0402]  160.09 7.97 270 top
ED9300  PSM712  [SOT_23]  66.69 5.3 90 bottom
ED9302  ESD5451N  [ESD0402]  30.12 57.3 180 top
ED9303  ESD5451N  [ESD0402]  32.78 57.3 180 top
ED9600  ESD5471X  [ESD0402]  43 79.76 0 top
ED9601  ESD5341N  [ESD0402]  45.67 79.76 0 top
ED9602  ESD5341N  [ESD0402]  48.34 79.76 0 top
ED9800  ESD5341N  [ESD0402]  152.06 169.74 270 top
ED9801  ESD5341N  [ESD0402]  150.66 169.74 270 top
ED9802  ESD5451N  [ESD0402]  16.38 80.61 90 top
ED9803  ESD5451N  [ESD0402]  16.38 77.95 90 top
F2000  JK-SMD150L  [F8050]  33.94 157.78 270 top
F9900  JK-nSMD035  [R1206]  97.94 25.33 270 top
FB7400  120R-100M  [L0603]  127.6 19.54 270 bottom
FB7401  120R-100M  [L0603]  129.57 19.54 270 bottom
FB7402  120R-100M  [L0603]  156.3 19.54 270 bottom
FB7403  120R-100M  [L0603]  158.27 19.54 270 bottom
GND9900  GND_GATE  [CON2_1X2_5R08_DIP]  17.31 54.3 0 top
GND9901  GND_GATE  [CON2_1X2_5R08_DIP]  148.5 56.46 0 top
GND9902  GND_GATE  [CON2_1X2_5R08_DIP]  21.76 171.9 90 top
GND9903  GND_GATE  [CON2_1X2_5R08_DIP]  136.57 171.27 90 top
GND9904  GND_GATE  [CON2_1X2_5R08_DIP]  31.92 5.02 0 top
H9900  HOLE_3R20  [HOLE_C3R20_C6R00]  5.08 90 270 top
H9901  HOLE_3R20  [HOLE_C3R20_C6R00]  100.92 174.92 270 top
H9902  HOLE_3R20  [HOLE_C3R20_C6R00]  45.2 174.92 270 top
H9903  HOLE_3R20  [HOLE_C3R20_C6R00]  174.92 174.92 270 top
H9904  HOLE_3R20  [HOLE_C3R20_C6R00]  61.07 39.62 270 top
H9905  HOLE_3R20  [HOLE_C3R20_C6R00]  5.08 174.92 270 top
H9906  HOLE_3R20  [HOLE_C3R20_C6R00]  174.92 5.08 270 top
H9907  HOLE_3R20  [HOLE_C3R20_C6R00]  5.08 5.08 270 top
H9908  HOLE_3R20  [HOLE_C3R20_C6R00]  132.16 59.18 270 top
H9909  HOLE_3R20  [HOLE_C3R20_C6R00]  174.97 19.34 270 top
H9910  HOLE_3R20  [HOLE_C3R20_C6R00]  110.1 19.34 270 top
H9911  HOLE_3R20  [HOLE_C3R20_C6R00]  45.2 19.34 270 top
H9912  HOLE_3R20  [HOLE_C3R20_C6R00]  174.97 162.82 270 top
H9913  HOLE_3R20  [HOLE_C3R20_C6R00]  110.1 162.82 270 top
H9914  HOLE_3R20  [HOLE_C3R20_C6R00]  45.2 162.82 270 top
IR9100  IRM_3638  [IJ3_IRM_3638]  91.61 4.87 0 top
J2000  DC-0007-5P  [DC3_DC_0007_5P]  57.7 180 270 top
J2300  JM  [OPEN]  85.78 123.98 0 top
J2301  JM  [OPEN]  92.01 124.92 180 top
J2302  JM  [OPEN]  68.62 132.32 0 top
J2303  JM  [OPEN]  74.85 126.31 180 top
J2304  JM  [OPEN]  92.42 144.73 180 top
J2305  JM  [OPEN]  97.32 130.03 180 top
J2306  JM  [OPEN]  71.08 136.87 270 top
J2307  JM  [OPEN]  80.71 122.87 180 top
J2400  CR1220-3V  [BAT_CR1220]  128.85 32.6 180 top
J2500  USB30_TYPE-C Receptacle  [TYPEC30_24P_SD-2012670005]  175.3 59.75 90 top
J2501  -  [USB30_AF_SMT_THF]  84.26 166.43 180 top
J4200  TFP09-2-12B  [TF9_TFP09-2-12B]  4.11 63.59 180 top
J5600  HDMI_A  [HDMIA19_HDMI_01A]  114.17 169.68 0 top
J6700  HR911130C  [RJ45_HR911130C]  10.96 19.81 90 top
J6800  HR911130C  [RJ45_HR911130C]  10.96 41.27 90 top
J7000  Audio_Jack_PJ8_B2339J  [PJ8_B2339J]  176.43 28.98 180 top
J7400  Audio_SPK_Jack_2P_V  [CN2M_2R00_V_P_DIP]  127.59 12.48 0 bottom
J7401  Audio_SPK_Jack_2P_V  [CN2M_2R00_V_P_DIP]  156.3 12.48 0 bottom
J9800  USB20_TYPE_C_NEW  [TYPEC20_16P_U20401]  155.67 177.33 180 top
J9801  -  [CN4M_2R54_V_DIP]  13.45 74.77 90 top
J9900  Radiator_Fan_65x65  [RADIATOR_FAN_65RX65RX13R]  84.24 82.37 0 top
J9901  RK3576_Socket  [RK3576_65R0X65R0X54R3_S]  84.24 82.37 90 top
J9902  Radiator_38x38  [RADIATOR_38RX38RX10R]  84.34 82.42 0 top
L2000  4.7uH  [IND_667028]  60.87 153.11 0 top
L2001  2.2uH  [IND_404020]  46.14 142.18 270 top
L2300  0.47uH  [IND_201610]  85.92 129.53 90 top
L2301  0.24uH  [IND_252012]  89.25 131 0 top
L2302  0.47uH  [IND_201610]  76.37 133.94 0 top
L2303  0.24uH  [IND_252012]  79.5 130.57 180 top
L2304  0.47uH  [IND_201610]  90.21 140.59 180 top
L2305  0.24uH  [IND_252012]  91.37 133.62 0 top
L2306  0.47uH  [IND_201610]  86.25 142.84 270 top
L2307  0.24uH  [IND_252012]  78.06 140.13 90 top
L2308  0.47uH  [IND_201610]  76.49 137.15 0 top
L2309  0.47uH  [IND_201610]  82.74 129.53 270 top
L2400  1.0uH  [IND_252010]  106.45 147.66 270 top
L2401  1.0uH  [IND_252010]  96.35 156.31 0 top
L2500  NC  [RP2_0405]  166.39 59.75 180 top
L2501  NC  [RP2_0405]  84.23 158.11 270 top
L4100  1.0uH  [IND_252010]  122.71 51.37 180 top
L4101  1.0uH  [IND_252010]  120.17 60.52 180 top
L6400  2.2uH  [IND_303015]  28.78 127.96 135 top
L6401  2.2uH  [IND_303015]  30.63 133.27 180 top
L6700  2.2uH  [IND_303015]  38.68 25.57 90 top
L6800  2.2uH  [IND_303015]  38.68 47.03 90 top
L8100  2.2uH  [IND_404020]  32.47 119.94 270 top
LED9500  LED_WHITE  [LED0603]  20.72 3.56 0 top
LED9501  LED_YELLOW  [LED0603]  15.21 3.56 0 top
LED9502  LED_GREEN  [LED0603]  15.21 177.3 180 top
LED9800  LED_BLUE  [LED0603]  160.95 177.3 0 top
M9900  -  [MARK]  9.82 174.7 90 bottom
M9901  -  [MARK]  176.39 9.7 180 top
M9902  -  [MARK]  170.47 176.6 90 top
M9903  -  [MARK]  10.2 5.15 270 bottom
M9904  -  [MARK]  9.44 3.37 90 top
M9905  -  [MARK]  175.3 10.09 0 bottom
MIC7000  MIC_WMM7037AT6  [A_MIC4_2R95X3R76X1R10]  173.69 42.2 0 top
NOREF  -  []  109.51 93.16 90 top
NOREF#2  -  []  53.01 119.06 270 top
NOREF#3  -  []  98.82 113.31 0 top
NOREF#4  -  []  31.67 99.19 0 top
NOREF#5  -  []  84.34 154.74 270 top
NOREF#6  -  []  132.76 82.28 0 top
NOREF#7  -  []  108.75 90.11 90 top
NOREF#8  -  []  161.33 114.24 0 top
NOREF#9  -  []  80.64 95.07 180 top
NOREF#10  -  []  110.02 88.46 90 top
NOREF#11  -  []  126.02 135.4 180 top
NOREF#12  -  []  132.12 128.56 270 top
NOREF#13  -  []  105.56 120.04 0 top
NOREF#14  -  []  35.97 146.97 0 top
NOREF#15  -  []  52.22 122.43 180 top
NOREF#16  -  []  126.02 123.4 180 top
NOREF#17  -  []  133.34 123.4 180 top
NOREF#18  -  []  161.2 71.83 0 top
NOREF#19  -  []  22.28 101.19 0 top
NOREF#20  -  []  132.76 84.68 0 top
NOREF#21  -  []  57.83 26.11 0 top
NOREF#22  -  []  133.34 135.4 180 top
NOREF#23  -  []  132.76 80.93 0 top
NOREF#24  -  []  110.4 91.64 90 top
NOREF#25  -  []  79.12 18.89 0 top
NOREF#26  -  []  126.02 125.8 180 top
NOREF#27  -  []  132.76 76.13 0 top
NOREF#28  -  []  64.18 36.65 0 top
NOREF#29  -  []  132.76 85.73 0 top
NOREF#30  -  []  133.34 125.8 180 top
NOREF#31  -  []  171.13 59.64 180 top
